# KiCad board Orcus.kicad_pcb
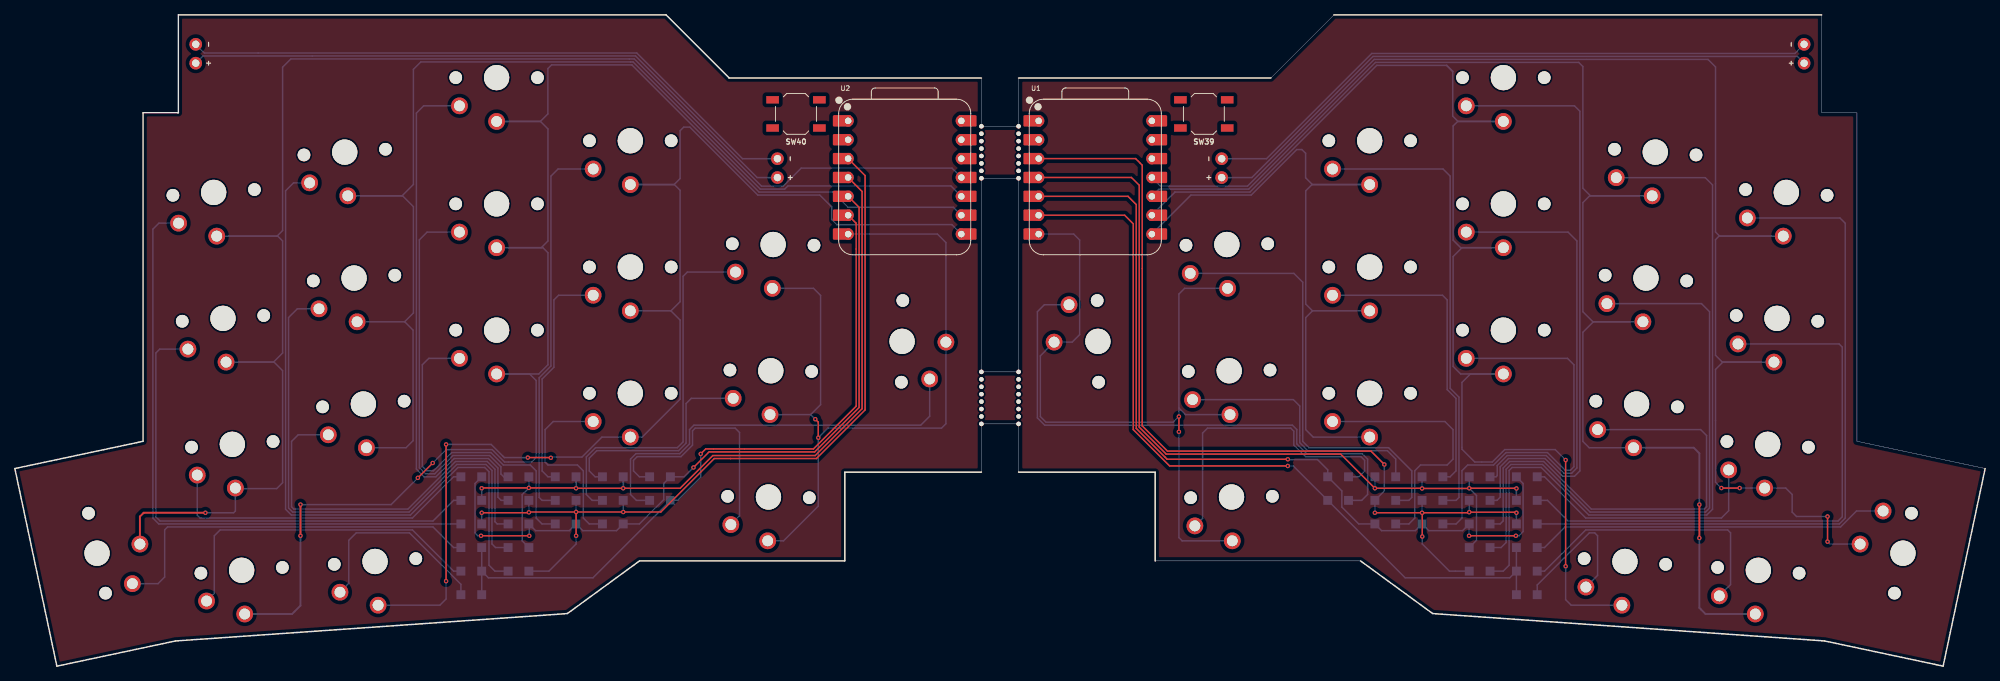
[diagram p0: board, top side]
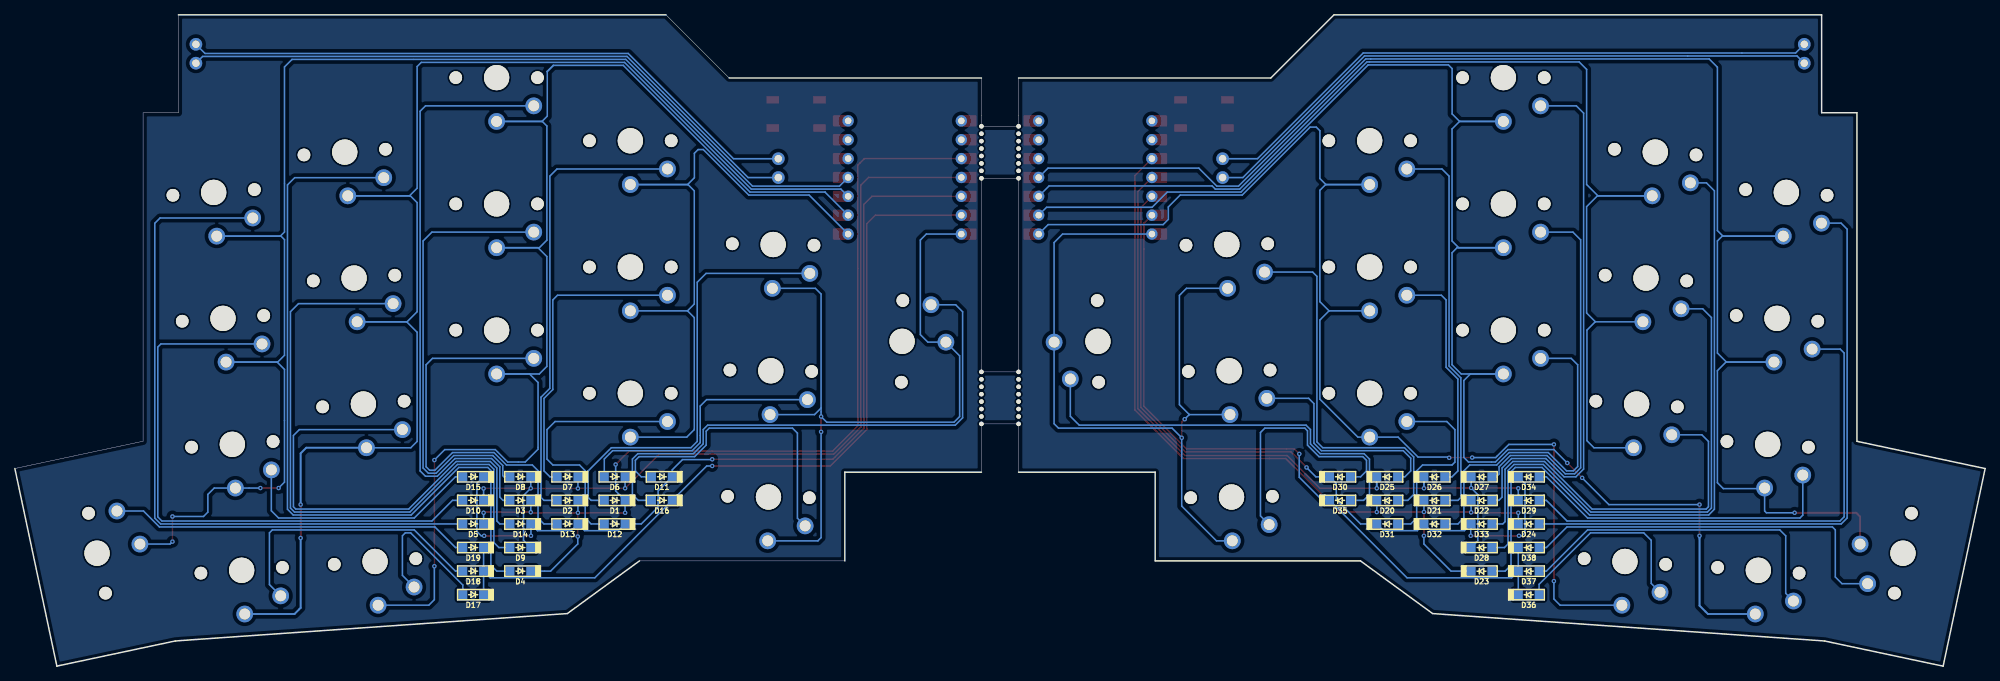
[diagram p1: board, bottom side, seen from below]

Outline 265.22 x 87.69 mm; copper layers: Top, Bottom. Coordinates in mm from the lower left corner of the outline.
Outline path: 130.11,72.69 130.11,79.19 96.15,79.19 87.65,87.69 22.01,87.69 22.01,74.51 17.26,74.51 17.26,30.27 0,26.61 5.66,0 21.6,3.39 74.37,7.08 84.08,14.17 111.72,14.17 111.72,26.12 130.11,26.12 130.11,32.62 ; 130.11,65.69 130.11,39.62 ; 135.11,72.69 135.11,79.19 169.06,79.19 177.56,87.69 243.21,87.69 243.21,74.51 247.96,74.51 247.96,30.27 265.22,26.61 259.56,0 243.62,3.39 190.84,7.08 181.14,14.17 153.5,14.17 153.5,26.12 135.11,26.12 135.11,32.62 ; 135.11,65.69 135.11,39.62
Stack: Top 0.035mm / dielectric 1.51mm FR4 er 4.5 / Bottom 0.035mm

## Placement (name value [footprint] x y rotation side)
D1  D  [D_SOD123F]  184.47 22.32 0 bottom
D2  D  [D_SOD123F]  190.82 22.32 0 bottom
D3  D  [D_SOD123F]  197.17 22.32 0 bottom
D4  D  [D_SOD123F]  197.17 12.79 0 bottom
D5  D  [D_SOD123F]  203.52 19.14 0 bottom
D6  D  [D_SOD123F]  184.47 25.49 0 bottom
D7  D  [D_SOD123F]  190.82 25.49 0 bottom
D8  D  [D_SOD123F]  197.17 25.49 0 bottom
D9  D  [D_SOD123F]  197.17 15.97 0 bottom
D10  D  [D_SOD123F]  203.52 22.32 0 bottom
D11  D  [D_SOD123F]  178.12 25.49 0 bottom
D12  D  [D_SOD123F]  184.47 19.14 0 bottom
D13  D  [D_SOD123F]  190.82 19.14 0 bottom
D14  D  [D_SOD123F]  197.17 19.14 0 bottom
D15  D  [D_SOD123F]  203.52 25.49 0 bottom
D16  D  [D_SOD123F]  178.12 22.32 0 bottom
D17  D  [D_SOD123F]  203.52 9.62 0 bottom
D18  D  [D_SOD123F]  203.52 12.79 0 bottom
D19  D  [D_SOD123F]  203.52 15.97 0 bottom
D20  D  [D_SOD123F]  80.49 22.32 180 bottom
D21  D  [D_SOD123F]  74.14 22.32 180 bottom
D22  D  [D_SOD123F]  67.79 22.32 180 bottom
D23  D  [D_SOD123F]  67.79 12.79 180 bottom
D24  D  [D_SOD123F]  61.44 19.14 180 bottom
D25  D  [D_SOD123F]  80.49 25.49 180 bottom
D26  D  [D_SOD123F]  74.14 25.49 180 bottom
D27  D  [D_SOD123F]  67.79 25.49 180 bottom
D28  D  [D_SOD123F]  67.79 15.97 180 bottom
D29  D  [D_SOD123F]  61.44 22.32 180 bottom
D30  D  [D_SOD123F]  86.84 25.49 180 bottom
D31  D  [D_SOD123F]  80.49 19.14 180 bottom
D32  D  [D_SOD123F]  74.14 19.14 180 bottom
D33  D  [D_SOD123F]  67.79 19.14 180 bottom
D34  D  [D_SOD123F]  61.44 25.49 180 bottom
D35  D  [D_SOD123F]  86.84 22.32 180 bottom
D36  D  [D_SOD123F]  61.44 9.62 180 bottom
D37  D  [D_SOD123F]  61.44 12.79 180 bottom
D38  D  [D_SOD123F]  61.44 15.97 180 bottom
mouse-bite-5mm-slot  VAL**  [mouse-bite-5mm-slot-jlc]  132.61 69.19 90 top
mouse-bite-5mm-slot#2  VAL**  [mouse-bite-5mm-slot-jlc]  132.61 36.12 90 top
SW1  MX_LED  [Kailh-PG1350-1u-NoLED]  163.15 56.77 1 top
SW2  MX_LED  [Kailh-PG1350-1u-NoLED]  182.37 70.74 0 top
SW3  MX_LED  [Kailh-PG1350-1u-NoLED]  200.37 79.24 0 top
SW4  MX_LED  [Kailh-PG1350-1u-NoLED]  220.81 69.21 356 top
SW5  MX_LED  [Kailh-PG1350-1u-NoLED]  238.45 63.78 356 top
SW6  MX_LED  [Kailh-PG1350-1u-NoLED]  163.46 39.77 1 top
SW7  MX_LED  [Kailh-PG1350-1u-NoLED]  182.37 53.74 0 top
SW8  MX_LED  [Kailh-PG1350-1u-NoLED]  200.37 62.24 0 top
SW9  MX_LED  [Kailh-PG1350-1u-NoLED]  219.56 52.25 356 top
SW10  MX_LED  [Kailh-PG1350-1u-NoLED]  237.2 46.82 356 top
SW11  MX_LED  [Kailh-PG1350-1u-NoLED]  163.77 22.77 1 top
SW12  MX_LED  [Kailh-PG1350-1u-NoLED]  182.37 36.74 0 top
SW13  MX_LED  [Kailh-PG1350-1u-NoLED]  200.37 45.24 0 top
SW14  MX_LED  [Kailh-PG1350-1u-NoLED]  218.3 35.29 356 top
SW15  MX_LED  [Kailh-PG1350-1u-NoLED]  235.94 29.86 356 top
SW16  MX_LED  [Kailh-PG1350-1u-NoLED]  145.79 43.73 271 top
SW17  MX_LED  [Kailh-PG1350-1u-NoLED]  216.73 14.09 356 top
SW18  MX_LED  [Kailh-PG1350-1u-NoLED]  234.69 12.91 356 top
SW19  MX_LED  [Kailh-PG1350-1u-NoLED]  254.15 15.21 258 top
SW20  MX_LED  [Kailh-PG1350-1u-NoLED]  102.07 56.77 359 top
SW21  MX_LED  [Kailh-PG1350-1u-NoLED]  82.85 70.74 0 top
SW22  MX_LED  [Kailh-PG1350-1u-NoLED]  64.85 79.24 0 top
SW23  MX_LED  [Kailh-PG1350-1u-NoLED]  44.4 69.21 4 top
SW24  MX_LED  [Kailh-PG1350-1u-NoLED]  26.76 63.78 4 top
SW25  MX_LED  [Kailh-PG1350-1u-NoLED]  101.76 39.77 359 top
SW26  MX_LED  [Kailh-PG1350-1u-NoLED]  82.85 53.74 0 top
SW27  MX_LED  [Kailh-PG1350-1u-NoLED]  64.85 62.24 0 top
SW28  MX_LED  [Kailh-PG1350-1u-NoLED]  45.66 52.25 4 top
SW29  MX_LED  [Kailh-PG1350-1u-NoLED]  28.02 46.82 4 top
SW30  MX_LED  [Kailh-PG1350-1u-NoLED]  101.44 22.77 359 top
SW31  MX_LED  [Kailh-PG1350-1u-NoLED]  82.85 36.74 0 top
SW32  MX_LED  [Kailh-PG1350-1u-NoLED]  64.85 45.24 0 top
SW33  MX_LED  [Kailh-PG1350-1u-NoLED]  46.92 35.29 4 top
SW34  MX_LED  [Kailh-PG1350-1u-NoLED]  29.27 29.86 4 top
SW35  MX_LED  [Kailh-PG1350-1u-NoLED]  119.43 43.73 89 top
SW36  MX_LED  [Kailh-PG1350-1u-NoLED]  48.48 14.09 4 top
SW37  MX_LED  [Kailh-PG1350-1u-NoLED]  30.53 12.91 4 top
SW38  MX_LED  [Kailh-PG1350-1u-NoLED]  11.06 15.21 102 top
SW39  RESET  [SW_SPST_TL3342]  160.05 74.35 180 top
SW40  RESET  [SW_SPST_TL3342]  105.15 74.35 180 top
SW41  BATT  [Reset_Breakout]  162.45 67.05 90 top
SW42  BATT  [Reset_Breakout]  240.85 82.45 90 top
SW43  BATT  [Reset_Breakout]  24.35 82.45 270 top
SW44  BATT  [Reset_Breakout]  102.65 67.05 270 top
U1  -  [XIAO-nRF52840-DIP]  145.43 65.79 0 top
U2  -  [XIAO-nRF52840-DIP]  119.78 65.79 0 top

## Library data of the parts
D1-D38 = -: Description: Diode; Sim.Pins: 1=K 2=A; ki_fp_filters: TO-???* *_Diode_* *SingleDiode* D_*

## Footprints (pads in the part's own frame, mm; a bottom-side part is the same pattern mirrored in y, then rotated)
D_SOD123F
  rect 1.2x1.2 smd: 1(-1.4,0) 2(1.4,0)
Kailh-PG1350-1u-NoLED
  round 1.7 hole 1.7 unplated: (-5.5,0) (5.5,0)
  round 3.4 hole 3.4 unplated: (0,0)
  round 2.25 hole 1.47: 1(0,-5.9) 2(-5,-3.8)
mouse-bite-5mm-slot-jlc
  round 0.6 hole 0.6 unplated: (-3.5,2.5) (-3.5,-2.5) (-2.5,2.5) (-2.5,-2.5) (-1.5,2.5) (-1.5,-2.5) (-0.5,2.5) (-0.5,-2.5) (0.5,2.5) (0.5,-2.5) (1.5,2.5) (1.5,-2.5) (2.5,2.5) (2.5,-2.5) (3.5,2.5) (3.5,-2.5)
Reset_Breakout
  round 1.7 hole 1: 1(-1.27,0)
  oval 1.7x1.7 hole 1: 2(1.27,0)
SW_SPST_TL3342
  rect 1.7x1 smd: 1(-3.15,1.9) 1(3.15,1.9) 2(-3.15,-1.9) 2(3.15,-1.9)
XIAO-nRF52840-DIP
  rrect 2.432x1.524 smd: 1(-8.455,7.62) 2(-8.455,5.08) 3(-8.455,2.54) 4(-8.455,0) 5(-8.455,-2.54) 6(-8.455,-5.08) 7(-8.455,-7.62) 8(8.455,-7.62) 9(8.455,-5.08) 10(8.455,-2.54) 11(8.455,0) 12(8.455,2.54) 13(8.455,5.08) 14(8.455,7.62)
  round 1.524 hole 0.889: 1(-7.62,7.62) 2(-7.62,5.08) 3(-7.62,2.54) 4(-7.62,0) 5(-7.62,-2.54) 6(-7.62,-5.08) 7(-7.62,-7.62) 8(7.62,-7.62) 9(7.62,-5.08) 10(7.62,-2.54) 11(7.62,0) 12(7.62,2.54) 13(7.62,5.08) 14(7.62,7.62)

## Nets
L-col0: SW1.1 SW6.1 SW11.1 SW16.1 U1.7
L-col1: SW2.1 SW7.1 SW12.1 U1.8
L-col2: SW3.1 SW8.1 SW13.1 SW17.1 U1.9
L-col3: SW4.1 SW9.1 SW14.1 SW18.1 U1.10
L-col4: SW5.1 SW10.1 SW15.1 SW19.1 U1.11
L-row0: D1.1 D2.1 D3.1 D4.1 D5.1 U1.3
L-row1: D6.1 D7.1 D8.1 D9.1 D10.1 U1.4
L-row2: D11.1 D12.1 D13.1 D14.1 D15.1 U1.5
L-row3: D16.1 D17.1 D18.1 D19.1 U1.6
R-col0: SW20.1 SW25.1 SW30.1 SW35.1 U2.7
R-col1: SW21.1 SW26.1 SW31.1 SW36.1 U2.8
R-col2: SW22.1 SW27.1 SW32.1 SW37.1 U2.9
R-col3: SW23.1 SW28.1 SW33.1 U2.10
R-col4: SW24.1 SW29.1 SW34.1 SW38.1 U2.11
R-row0: D20.1 D21.1 D22.1 D23.1 D24.1 U2.3
R-row1: D25.1 D26.1 D27.1 D28.1 D29.1 U2.4
R-row2: D30.1 D31.1 D32.1 D33.1 D34.1 U2.5
R-row3: D35.1 D36.1 D37.1 D38.1 U2.6
Net-(D1-A): D1.2 SW1.2
Net-(D2-A): D2.2 SW2.2
Net-(D3-A): D3.2 SW3.2
Net-(D4-A): D4.2 SW4.2
Net-(D5-A): D5.2 SW5.2
Net-(D6-A): D6.2 SW6.2
Net-(D7-A): D7.2 SW7.2
Net-(D8-A): D8.2 SW8.2
Net-(D9-A): D9.2 SW9.2
Net-(D10-A): D10.2 SW10.2
Net-(D11-A): D11.2 SW11.2
Net-(D12-A): D12.2 SW12.2
Net-(D13-A): D13.2 SW13.2
Net-(D14-A): D14.2 SW14.2
Net-(D15-A): D15.2 SW15.2
Net-(D16-A): D16.2 SW16.2
Net-(D17-A): D17.2 SW17.2
Net-(D18-A): D18.2 SW18.2
Net-(D19-A): D19.2 SW19.2
Net-(D20-A): D20.2 SW20.2
Net-(D21-A): D21.2 SW21.2
Net-(D22-A): D22.2 SW22.2
Net-(D23-A): D23.2 SW23.2
Net-(D24-A): D24.2 SW24.2
Net-(D25-A): D25.2 SW25.2
Net-(D26-A): D26.2 SW26.2
Net-(D27-A): D27.2 SW27.2
Net-(D28-A): D28.2 SW28.2
Net-(D29-A): D29.2 SW29.2
Net-(D30-A): D30.2 SW30.2
Net-(D31-A): D31.2 SW31.2
Net-(D32-A): D32.2 SW32.2
Net-(D33-A): D33.2 SW33.2
Net-(D34-A): D34.2 SW34.2
Net-(D35-A): D35.2 SW35.2
Net-(D36-A): D36.2 SW36.2
Net-(D37-A): D37.2 SW37.2
Net-(D38-A): D38.2 SW38.2
Net-(SW41-Pad1): SW41.1 SW42.1
Net-(SW41-Pad2): SW41.2 SW42.2
Net-(SW43-Pad1): SW43.1 SW44.1
Net-(SW43-Pad2): SW43.2 SW44.2

Pads without a net: SW39 1 2; SW40 1 2; U1 1 2 12 13 14; U2 1 2 12 13 14

## Via types
v1: diameter 0.6, hole 0.3, Top to Bottom, 48 vias

## Routing (per net, layer and track width the routed paths; a pad name or vN(x,y) marks a point on that pad's centre or on a via; arc(x,y) is an arc through that point)
L-col0: length 106.8
  Top w0.2: 156.69,31.49 v1(156.69,31.55) v1(156.69,33.61)
  Bottom w0.2: U1.7 142.52,58.17 143.33,57.37 143.33,44.63 142.32,43.63 SW16.1 138.04,41.78 138.04,33.6 138.8,32.84 155.93,32.84 v1(156.69,33.61) 156.69,34.75 ; 156.69,34.75 156.69,50.1 157.46,50.87 SW1.1 ; 156.69,34.75 157.57,33.87 SW6.1 ; v1(156.69,31.55) 156.69,17.31 157.13,16.87 SW11.1
L-col1: length 96.5
  Bottom w0.2: U1.8 158.31,63.43 166.42,63.43 172.55,69.55 173.25,69.55 173.75,69.05 173.75,65.75 174.66,64.84 SW2.1 174.6,64.84 173.76,63.99 173.76,48.75 174.67,47.84 174.67,47.84 ; SW12.1 174.77,30.84 173.76,31.84 173.76,46.92 174.67,47.84 ; 174.67,47.84 SW7.1
L-col2: length 180
  Top w0.2: v1(208.75,27.75) v1(208.75,13.45)
  Bottom w0.2: 193.55,80.05 192.71,80.89 ; 193.55,80.05 193.55,74.05 194.26,73.34 SW3.1 194.22,73.34 193.6,72.73 193.6,57.35 194.62,56.34 SW8.1 194.79,56.34 193.6,55.15 193.6,40.35 194.62,39.34 SW13.1 195.93,39.34 194.79,38.19 194.79,29.21 196.52,27.48 198.88,27.48 200.55,29.16 207.34,29.16 v1(208.75,27.75) ; 193.55,80.05 193.55,80.09 192.75,80.89 183.32,80.89 166.26,63.83 156.15,63.83 156.15,63.81 U1.9 ; v1(208.75,13.45) 208.75,8.95 209.49,8.21 SW17.1
L-col3: length 193.4
  Top w0.254: v1(226.75,17.25) v1(226.75,21.75)
  Bottom w0.2: SW14.1 211.92,29.4 211.07,30.26 211.07,44.95 212.48,46.36 SW9.1 212.42,46.36 211.07,47.72 211.07,62.41 211.98,63.32 SW4.1 212.1,63.32 211.07,64.35 211.07,80.73 210.51,81.29 183.15,81.29 166.09,64.23 154.03,64.23 U1.10
  Bottom w0.254: SW14.1 225.99,29.4 226.75,28.65 v1(226.75,21.75) ; 226.85,17.25 v1(226.75,17.25) 226.75,7.85 227.58,7.02 SW18.1
L-col4: length 198.5
  Top w0.2: 244,20.31 v1(244,20.15) v1(244,16.76) ; v1(232.17,23.98) v1(229.72,23.98) 229.64,23.98
  Bottom w0.2: 211.55,81.69 227.91,81.69 228.92,80.67 228.92,58.45 229.48,57.9 SW5.1 229.39,57.9 228.92,57.42 228.92,41.85 229.84,40.94 SW10.1 229.91,40.94 228.92,39.95 228.92,24.77 v1(229.72,23.98) ; v1(244,16.76) 244.33,16.43 SW19.1 ; v1(232.17,23.98) SW15.1 238.38,23.98 239.24,23.11 239.24,20.73 239.82,20.15 v1(244,20.15) ; U1.11 154.22,64.63 165.93,64.63 182.99,81.69 211.51,81.69
L-row0: length 127.4
  Top w0.2: v1(189.42,20.65) 195.7,20.65 v1(195.77,20.72) 202.05,20.72 v1(202.12,20.65) ; v1(189.42,20.65) v1(183.07,20.65) ; v1(189.42,20.65) 189.45,20.62 v1(189.45,17.45) ; v1(184.35,27.15) 182.55,28.95 155.15,28.95 151.75,32.35 151.75,67.45 150.86,68.33 U1.3
  Bottom w0.2: D3.1 v1(195.77,20.72) ; D2.1 v1(189.42,20.65) 189.42,20.62 ; 202.12,19.14 v1(202.12,20.65) 202.12,20.72 202.15,20.75 ; 189.45,17.55 v1(189.45,17.45) 189.45,16.45 193.1,12.79 D4.1 ; v1(184.35,27.15) 184.35,23.59 D1.1 v1(183.07,20.65) 183.07,20.57
L-row1: length 116
  Top w0.2: v1(202.12,23.92) 202.1,23.95 v1(195.77,23.95) 195.75,23.92 v1(189.42,23.92) 189.4,23.95 v1(183.07,23.95) 178.47,28.55 154.98,28.55 151.35,32.18 151.35,64.75 150.3,65.79 U1.4
  Bottom w0.2: D6.1 v1(183.07,23.95) 183.07,23.82 ; v1(195.77,23.95) 195.77,23.87 ; v1(195.77,23.95) D8.1 ; v1(195.77,23.95) 196.75,22.97 196.75,16.94 D9.1 ; 202.12,22.32 v1(202.12,23.92) ; D7.1 v1(189.42,23.92)
L-row2: length 114.1
  Top w0.2: v1(171.35,27.85) 155.11,27.85 150.95,32.02 150.95,62.15 149.84,63.25 U1.5 ; v1(202.05,17.55) v1(195.75,17.55)
  Bottom w0.2: v1(171.35,27.85) 171.39,27.81 175.35,27.81 176.72,26.43 D11.1 178.62,23.59 178.62,21.42 180.9,19.14 D12.1 183.97,18.24 188.52,18.24 D13.1 190.32,18.24 194.87,18.24 D14.1 195.75,19.12 v1(195.75,17.55) ; 202.12,25.49 203.02,24.59 203.02,18.13 202.45,17.55 v1(202.05,17.55)
L-row3: length 107.5
  Top w0.2: U1.6 149.38,60.71 150.54,59.55 150.54,31.85 155.45,26.95 v1(171.35,26.95)
  Bottom w0.2: v1(171.35,26.95) 172.09,26.95 D16.1 187.15,11.89 201.22,11.89 202.12,12.79 ; 202.12,9.62 202.12,15.97
R-col0: length 106.5
  Top w0.2: v1(108.15,30.75) 108.15,32.85 v1(107.75,33.25)
  Bottom w0.2: 107.12,33.87 108.46,35.2 108.46,49.92 107.51,50.87 SW20.1 ; 107.12,33.87 SW25.1 ; 107.12,33.87 107.13,33.87 v1(107.75,33.25) ; SW30.1 103.47,16.87 108.15,21.55 v1(108.15,30.75) ; v1(108.15,30.75) 108.15,30.85 ; v1(108.15,30.75) 109.44,32.04 124.73,32.04 125.33,32.64 SW35.1 125.33,57.03 124.18,58.17 U2.7
R-col1: length 165.9
  Top w0.2: v1(69.05,28.08) 72.12,28.08 v1(72.15,28.05) ; v1(58.05,11.45) v1(58.05,29.85)
  Bottom w0.2: v1(69.05,28.08) 65.88,28.08 64.12,29.85 v1(58.05,29.85) ; 88.31,47.84 89.55,46.6 89.55,35.95 84.44,30.84 SW31.1 79.02,30.84 76.33,28.15 72.25,28.15 v1(72.15,28.05) ; 88.31,47.84 SW26.1 ; 88.31,47.84 89.55,49.07 89.55,64.06 88.77,64.84 SW21.1 88.73,64.84 89.55,65.65 89.55,72.08 90.03,72.57 90.86,72.57 100,63.43 108.35,63.43 109.95,61.83 109.95,60.15 110.65,59.45 126.13,59.45 U2.8 ; SW36.1 57.21,8.21 58.05,9.04 v1(58.05,11.45)
R-col2: length 210.5
  Top w0.2: v1(56.25,27.35) v1(54.25,25.35)
  Top w0.254: v1(38.45,17.55) v1(38.45,21.75) 38.45,21.85
  Bottom w0.2: v1(56.25,27.35) 58.05,29.16 64.24,29.16 65.92,27.48 69.54,27.48 70.17,28.11 70.17,38.45 69.29,39.34 SW32.1 70.52,39.34 71.76,40.57 71.76,55.66 71.08,56.34 SW27.1 70.85,56.34 71.76,57.24 71.76,72.32 70.75,73.34 SW22.1 70.73,73.34 71.75,74.35 71.75,80.45 72.25,80.95 83.05,80.95 100.17,63.83 110.09,63.83 112.14,61.78 126.34,61.78 U2.9 ; v1(54.25,25.35) 50.65,21.75 v1(38.45,21.75)
  Bottom w0.254: SW37.1 37.32,7.02 38.45,8.15 v1(38.45,17.55)
R-col3: length 162
  Bottom w0.2: U2.10 126.01,64.65 104.05,64.65 103.63,64.23 100.34,64.23 83.21,81.35 82.88,81.35 82.88,81.35 54.65,81.35 53.65,80.35 53.65,64.85 52.12,63.32 SW23.1 52.19,63.32 53.65,61.86 53.65,47.55 52.48,46.38 52.48,46.36 ; 52.48,46.36 53.6,45.24 53.6,30.36 52.65,29.4 SW33.1 ; 52.48,46.36 SW28.1
R-col4: length 213.8
  Top w0.254: v1(25.65,20.65) 17.35,20.65 16.83,20.14 SW38.1
  Bottom w0.2: U2.11 126.15,67.05 105.85,67.05 103.43,64.63 100.5,64.63 83.38,81.75 82.72,81.75 82.71,81.75 37.15,81.75 36.04,80.64 36.04,58.64 35.29,57.9 SW24.1 35.39,57.9 36.04,57.24 36.04,42.16 34.82,40.94 SW29.1 34.89,40.94 36.04,39.78 36.04,24.7 35.25,23.91 29.76,23.91 SW34.1 29.68,20.89 29.45,20.65 v1(25.65,20.65)
R-row0: length 110.7
  Top w0.2: v1(75.54,20.76) 69.24,20.76 v1(69.19,20.71) 69.13,20.65 v1(62.85,20.65) ; v1(75.54,20.76) 75.54,17.56 v1(75.55,17.55) ; v1(75.54,20.76) 75.55,20.75 v1(81.89,20.75) 86.95,20.75 94.15,27.95 96.35,27.95 107.9,27.95 114.45,34.5 114.45,66.05 U2.3
  Bottom w0.2: v1(62.85,20.65) 62.84,20.64 D24.1 ; D20.1 v1(81.89,20.75) 81.89,20.71 ; D21.1 v1(75.54,20.76) ; 75.55,17.65 v1(75.55,17.55) 75.55,16.45 71.89,12.79 D23.1 ; D22.1 v1(69.19,20.71)
R-row1: length 103
  Top w0.2: U2.4 114.05,63.91 114.05,34.67 107.73,28.35 93.95,28.35 89.55,23.95 v1(81.89,23.95) v1(75.54,23.95) 75.5,23.99 v1(69.19,23.99) 62.88,23.99 v1(62.84,23.95)
  Bottom w0.2: D29.1 62.84,23.65 ; 62.84,23.65 62.84,23.84 ; 62.84,23.65 v1(62.84,23.95) 62.84,24.04 ; D27.1 v1(69.19,23.99) 68.29,23.09 68.29,16.87 D28.1
  Bottom w0.254: 81.89,23.91 v1(81.89,23.95) D25.1 ; D26.1 v1(75.54,23.95) 75.54,23.86
R-row2: length 99.9
  Top w0.2: v1(91.35,26.75) 93.45,28.85 107.66,28.85 113.65,34.83 113.65,61.77 U2.5 ; v1(62.75,17.55) v1(69.25,17.55)
  Bottom w0.2: 62.85,17.55 v1(62.75,17.55) 62.35,17.55 61.94,17.96 61.94,24.59 D34.1 ; v1(91.35,26.75) 90.09,25.49 D30.1 87.34,24.59 87.34,22.42 84.07,19.14 D31.1 80.99,18.24 76.44,18.24 D32.1 74.64,18.24 70.09,18.24 D33.1 69.25,19.09 v1(69.25,17.55)
R-row3: length 94.7
  Top w0.2: v1(92.32,28.57) 93,29.25 107.5,29.25 113.25,35 113.25,59.63 U2.6
  Bottom w0.2: D37.1 63.74,11.89 77.82,11.89 D35.1 89.22,22.32 92.32,25.43 v1(92.32,28.57) ; D36.1 D38.1
Net-(D1-A): length 59.3
  Bottom w0.2: SW1.2 172.17,52.88 173.36,51.69 173.36,30.26 174.21,29.41 184.92,29.41 188.04,26.29 188.04,22.71 187.65,22.32 D1.2
Net-(D2-A): length 62.3
  Bottom w0.2: D2.2 194,22.32 194.39,22.71 194.39,36.21 193.2,37.4 193.2,65.97 192.24,66.94 SW2.2
Net-(D3-A): length 82.1
  Bottom w0.2: SW3.2 209.94,75.44 210.67,74.71 210.67,26.29 209.94,25.56 208.36,25.56 205.97,27.95 201.05,27.95 199.94,26.84 199.94,22.75 199.51,22.32 D3.2
Net-(D4-A): length 103.2
  Bottom w0.2: SW4.2 227.55,65.76 228.52,64.79 228.52,21.12 227.74,20.35 211.87,20.35 205.47,26.75 201.55,26.75 201.14,26.34 201.14,13.59 200.35,12.79 D4.2
Net-(D5-A): length 95
  Bottom w0.2: D5.2 245.59,19.14 246.38,19.94 246.38,59.62 245.67,60.34 SW5.2
Net-(D6-A): length 35.9
  Bottom w0.2: SW6.2 172.1,35.88 172.96,35.02 172.96,30.09 174.04,29.01 184.75,29.01 185.87,27.89 D6.2
Net-(D7-A): length 41.3
  Bottom w0.2: D7.2 193.2,25.49 193.99,26.29 193.99,36.05 192.8,37.23 192.8,49.31 192.17,49.94 SW7.2
Net-(D8-A): length 60.9
  Bottom w0.2: SW8.2 209.07,58.44 210.27,57.24 210.27,26.68 209.55,25.97 208.52,25.97 206.13,28.35 200.88,28.35 199.54,27.01 199.54,25.65 199.38,25.49 D8.2
Net-(D9-A): length 83.5
  Bottom w0.2: D9.2 200.06,15.97 200.74,16.65 200.74,26.51 201.38,27.15 205.63,27.15 212.04,20.75 227.58,20.75 228.12,21.29 228.12,47.72 227.03,48.81 SW9.2
Net-(D10-A): length 79.5
  Bottom w0.2: SW10.2 245.56,43.38 245.98,42.96 245.98,20.1 245.43,19.54 209.08,19.54 206.3,22.32 D10.2
Net-(D11-A): length 41.8
  Bottom w0.2: SW11.2 159.88,19.92 159.88,31.38 160.54,32.04 171.75,32.04 172.16,31.63 172.16,29.76 173.71,28.21 181.19,28.21 181.69,27.71 181.69,26.29 180.9,25.49 D11.2
Net-(D12-A): length 35.7
  Bottom w0.2: SW12.2 192.5,32.94 193.59,31.84 193.59,27.87 192.79,27.08 189.21,27.08 188.44,26.31 188.44,19.94 187.65,19.14 D12.2
Net-(D13-A): length 55.1
  Bottom w0.2: D13.2 194,19.14 194.79,19.94 194.79,26.31 195.56,27.08 199.04,27.08 200.72,28.75 206.3,28.75 208.69,26.37 209.38,26.37 209.86,26.85 209.86,40.57 209,41.44 SW13.2
Net-(D14-A): length 64.2
  Bottom w0.2: D14.2 199.93,19.14 200.34,19.55 200.34,26.68 201.22,27.55 205.8,27.55 212.2,21.15 227.41,21.15 227.72,21.46 227.72,31.05 226.92,31.85 SW14.2
Net-(D15-A): length 34
  Bottom w0.2: SW15.2 230.69,20.92 229.72,19.95 211.45,19.95 205.9,25.49 D15.2
Net-(D16-A): length 74.5
  Bottom w0.2: SW16.2 138.58,48.66 137.64,47.72 137.64,33.43 138.63,32.44 171.97,32.44 172.56,31.85 172.56,29.92 173.87,28.61 181.36,28.61 182.09,27.87 182.09,23.11 181.3,22.32 D16.2
Net-(D17-A): length 20.1
  Bottom w0.2: D17.2 204.92,10.92 211.94,17.94 212.66,17.94 213.05,17.56 213.05,12.22 SW17.2
Net-(D18-A): length 37.6
  Bottom w0.2: D18.2 205.9,12.79 211.45,18.34 230.56,18.34 230.95,17.95 230.95,10.98 SW18.2
Net-(D19-A): length 48.6
  Bottom w0.2: D19.2 205.9,15.97 208.68,18.74 245.76,18.74 247.9,20.89 SW19.2
Net-(D20-A): length 51
  Bottom w0.2: D20.2 77.72,22.32 76.92,23.11 76.92,28.17 78.16,29.41 89.17,29.41 89.95,30.19 89.95,52.48 90.52,53.05 SW20.2
Net-(D21-A): length 52.3
  Bottom w0.2: SW21.2 73.12,66.94 72.16,65.97 72.16,40.41 70.57,38.82 70.57,22.71 70.97,22.32 D21.2
Net-(D22-A): length 72.6
  Bottom w0.2: D22.2 65.46,22.32 65.03,22.75 65.03,26.67 63.75,27.95 59.14,27.95 56.68,25.49 55.09,25.49 54.05,26.54 54.05,74.46 55.03,75.44 SW22.2
Net-(D23-A): length 92.6
  Bottom w0.2: D23.2 64.62,12.79 63.82,13.59 63.82,26.17 63.25,26.75 59.65,26.75 53.24,20.35 37.22,20.35 36.44,21.12 36.44,63.99 37.51,65.07 SW23.2
Net-(D24-A): length 84.5
  Bottom w0.2: D24.2 19.37,19.14 18.58,19.94 18.58,58.83 19.39,59.64 SW24.2
Net-(D25-A): length 29.6
  Bottom w0.2: SW25.2 91.05,36.06 90.35,35.35 90.35,30.02 89.34,29.01 78.33,29.01 77.32,28.01 77.32,26.28 78.11,25.49 D25.2
Net-(D26-A): length 31.3
  Bottom w0.2: D26.2 71.76,25.49 70.97,26.28 70.97,38.66 72.56,40.24 72.56,49.31 73.19,49.94 SW26.2
Net-(D27-A): length 51.6
  Bottom w0.2: D27.2 65.8,25.49 65.43,25.87 65.43,26.84 63.91,28.35 58.97,28.35 56.51,25.89 55.26,25.89 54.45,26.7 54.45,57.4 55.49,58.44 SW27.2
Net-(D28-A): length 73.1
  Bottom w0.2: D28.2 64.7,15.97 64.22,16.45 64.22,26.34 63.41,27.15 59.48,27.15 53.08,20.75 37.39,20.75 36.84,21.29 36.84,46.93 38.02,48.11 SW28.2
Net-(D29-A): length 69
  Bottom w0.2: D29.2 59.06,22.32 56.29,19.54 19.54,19.54 18.98,20.1 18.98,42.16 19.5,42.68 SW29.2
Net-(D30-A): length 34.2
  Bottom w0.2: D30.2 84.07,25.49 83.27,26.29 83.27,27.71 83.77,28.21 89.67,28.21 91.22,29.76 91.22,31.69 91.58,32.04 96.96,32.04 97.55,31.46 97.55,20.23 SW30.2
Net-(D31-A): length 26.2
  Bottom w0.2: SW31.2 72.47,32.94 71.38,31.84 71.38,27.47 71.76,27.08 75.73,27.08 76.52,26.29 76.52,19.94 77.32,19.14 D31.2
Net-(D32-A): length 45.9
  Bottom w0.2: D32.2 70.97,19.14 70.17,19.94 70.17,26.29 69.38,27.08 65.75,27.08 64.08,28.75 58.81,28.75 56.35,26.3 55.42,26.3 54.85,26.87 54.85,40.57 55.71,41.44 SW32.2
Net-(D33-A): length 53.7
  Bottom w0.2: SW33.2 38.14,31.15 37.24,30.26 37.24,21.46 37.55,21.15 52.91,21.15 59.32,27.55 63.58,27.55 64.62,26.51 64.62,19.45 64.93,19.14 D33.2
Net-(D34-A): length 43.3
  Bottom w0.2: SW34.2 24.55,20.32 24.93,19.95 53.51,19.95 59.06,25.49 D34.2
Net-(D35-A): length 56.5
  Bottom w0.2: SW35.2 123.14,33.64 121.94,32.44 91.41,32.44 90.82,31.85 90.82,29.92 89.5,28.61 83.61,28.61 82.87,27.87 82.87,23.11 83.67,22.32 D35.2
Net-(D36-A): length 27.3
  Bottom w0.2: D36.2 60.04,11.02 53.12,17.94 45.95,17.94 44.95,16.94 44.95,11.14 SW36.2
Net-(D37-A): length 45
  Bottom w0.2: D37.2 59.06,12.79 53.51,18.34 27.64,18.34 26.85,17.55 26.85,9.81 SW37.2
Net-(D38-A): length 52.3
  Bottom w0.2: SW38.2 19.27,11.11 20.17,12 20.17,18.35 20.56,18.74 56.29,18.74 59.06,15.97 D38.2
Net-(SW41-Pad1): length 85.5
  Bottom w0.2: SW42.1 239.94,82.09 182.82,82.09 166.51,65.78 SW41.1
Net-(SW41-Pad2): length 84.8
  Bottom w0.2: SW41.2 168.48,68.32 182.65,82.49 239.62,82.49 SW42.2
Net-(SW43-Pad1): length 84.7
  Bottom w0.2: SW43.1 25.52,82.55 32.75,82.55 32.75,82.55 83.71,82.55 97.95,68.32 SW44.1
Net-(SW43-Pad2): length 85.5
  Bottom w0.2: SW43.2 25.32,82.15 40.05,82.15 40.05,82.15 83.55,82.15 99.92,65.78 SW44.2

## Copper pours and planes (outline as drawn; the poured copper is in the pictures)
(no net) on Top, Bottom: -2.65,-8.65 269.55,-8.65 270.05,-8.15 270.05,96.65 269.45,97.25 -0.45,97.25 -2.75,94.95 -2.65,94.95
